# Altium PCB iMX6 Rex_V1I1_PCB.PcbDoc (part 7 of 8) (continued)
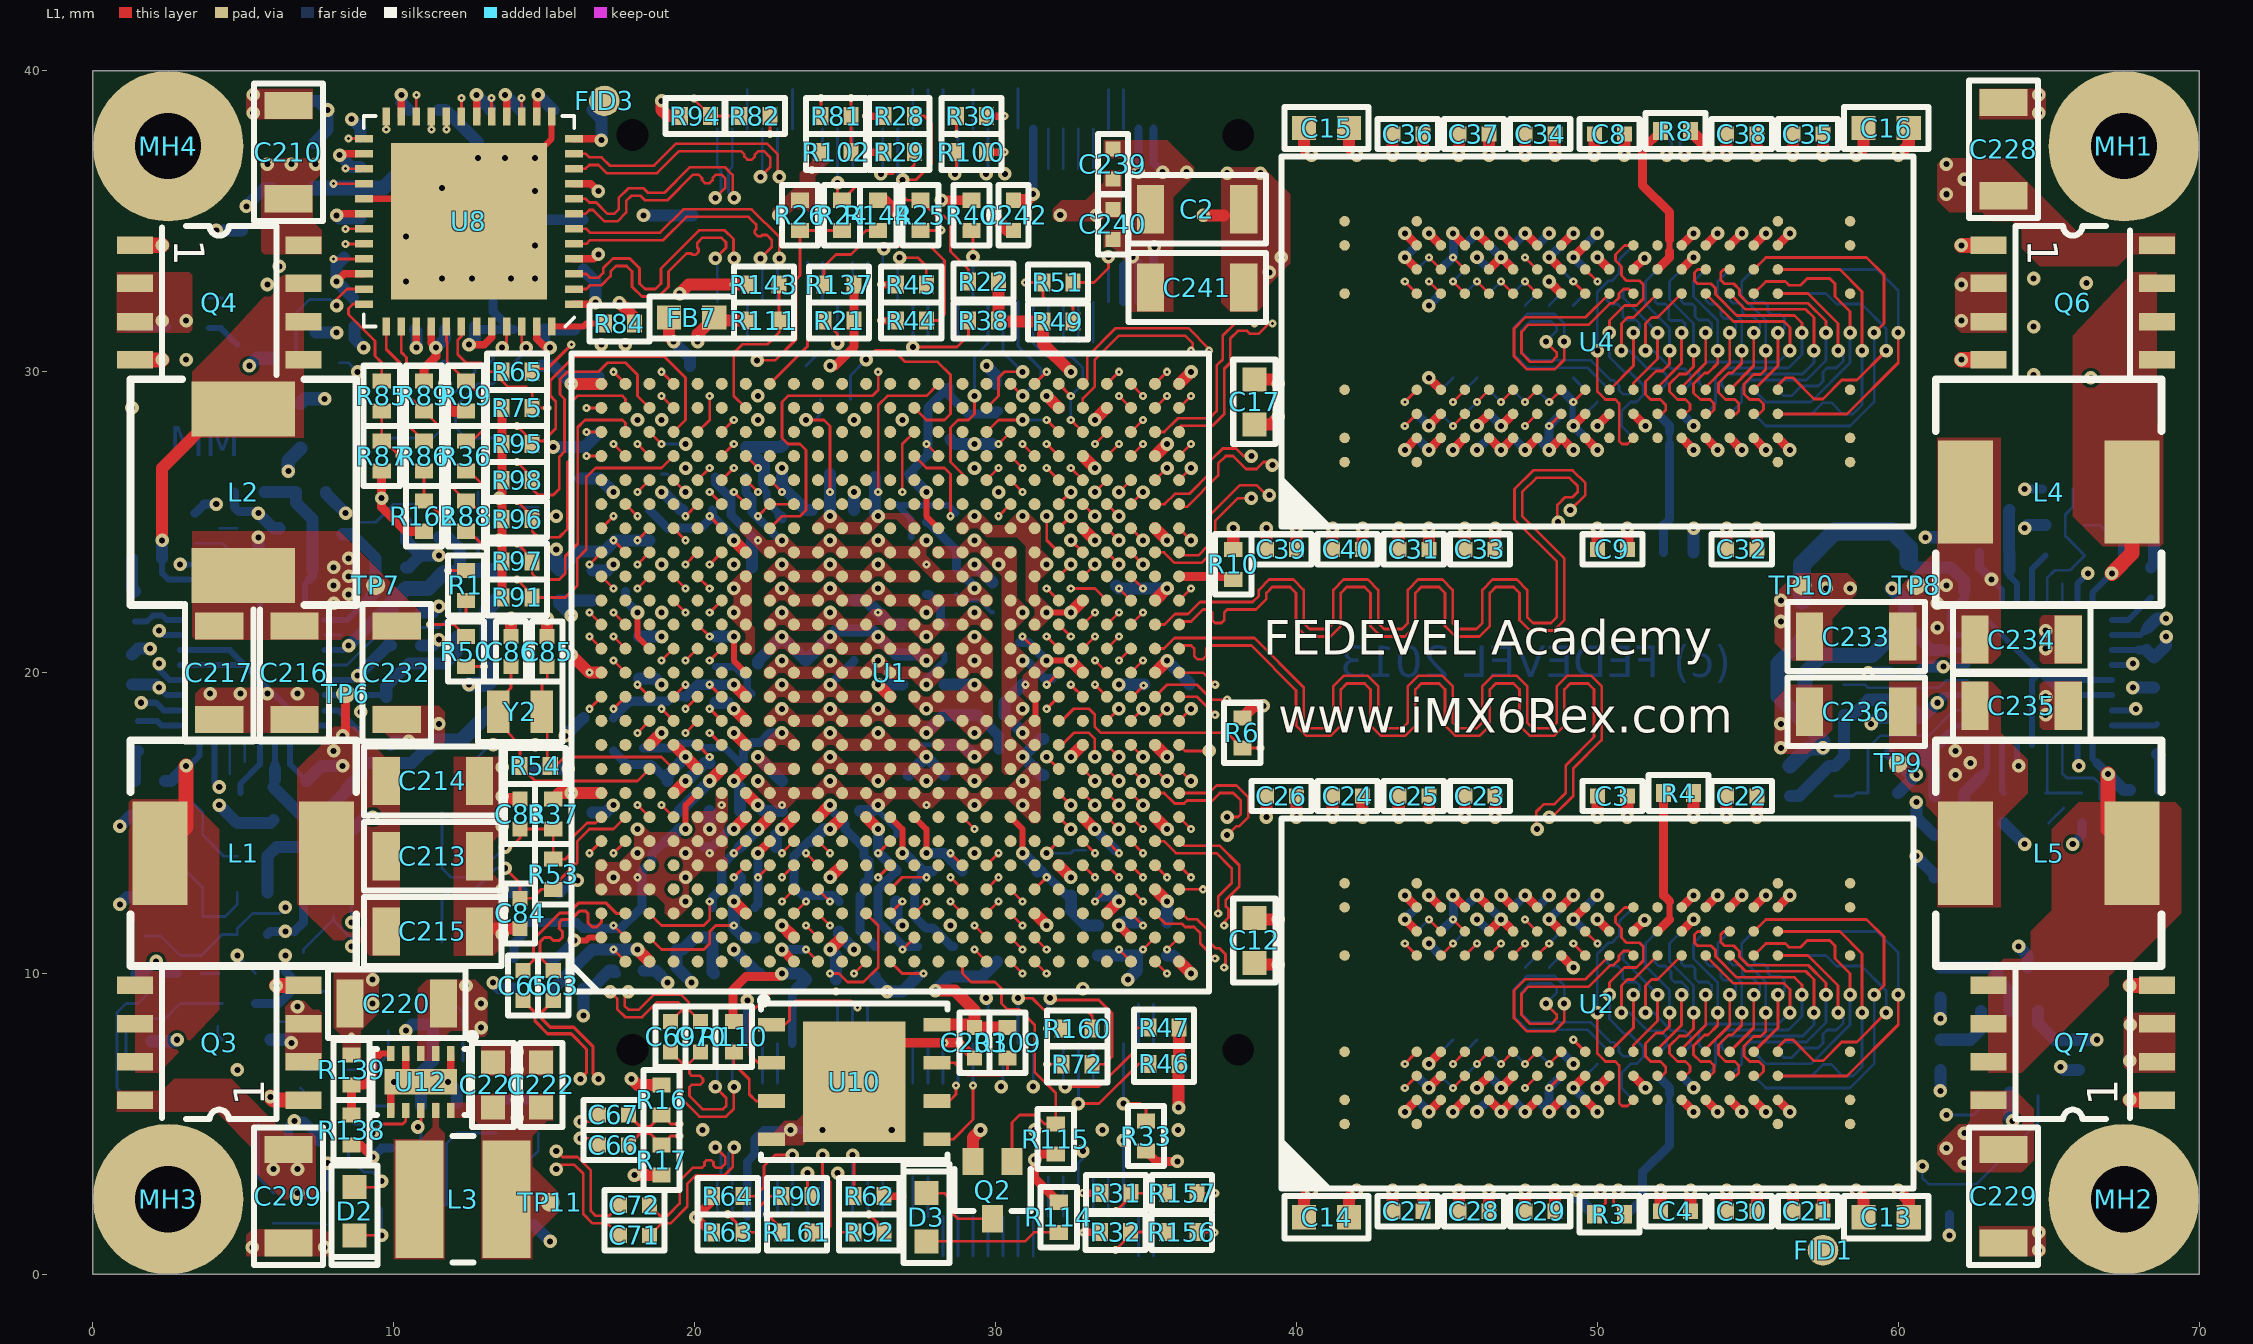
[diagram p0: L1 view]
## Nets (pads, with @x,y where several pads share a name; then routed paths per layer and width w, separated by ;. In a path a pad name is that pad's centre, name@x,y a point inside that pad or via, vN(x,y) a via of type N, cw(c..) or ccw(c..) an arc to the next point about the centre after c; other vN are vias at no path point) (continued)
  L10 w0.085: v4(8.6,13.3) 8.5,13.4 8.117,13.4 7.9,13.617 7.9,15 8.2,15.3 8.2,16.27 8.668,16.737 8.668,18.052 8.332,18.387 8.332,19.032 8.568,19.268 8.768,19.268 9.4,19.9 9.4,22.167 9.633,22.4 9.633,25.263 9.968,25.598 9.968,26.15 13.006,29.189 16.689,29.189 18.068,30.568 18.068,31.35 17.868,31.55 17.868,34.248 18.72,35.1 19.1,35.1 v4(19.2,35.2)
  L12 w0.101: v1(29.688,36.58) 29.75,36.642 J1.24@29.75,38.07
USB0_PWR_EN: J1.26 U1.E23 | length 24.8
  L1 w0.093: U1.E23@20.1,28 20.5,28.4 v2(20.5,29.2)
  L2 w0.1: v2(20.5,29.2) v3(20.5,29.6)
  L3 w0.08: v3(20.5,29.6) v4(20.5,30)
  L10 w0.08: v4(20.5,30) 19.7,30 18.85,30.85 18.85,33.72 19.7,34.57 19.7,36.166 20.87,37.335 20.87,37.966 21.979,39.075 22.921,39.075 23.199,38.797 23.728,38.797 23.93,39 26,39 26.5,38.5 26.5,37.9 26.832,37.568 28.488,37.568 29.25,38.33 v6(29.25,38.982)
  L11 w0.1: v6(29.25,38.982) v5(29.25,39.383)
  L12 w0.093: J1.26@29.25,38.07 v5(29.25,39.383)
USB1_N: J2.40 U1.F10 | length 20.4
  L1 w0.101: v2(20.5,18) U1.F10@20.9,17.6
  L2 w0.1: v2(20.5,18) v3(20.8,17.7)
  L3 w0.085: v3(20.8,17.7) 20.4,18.1 19.7,18.1 17.922,16.322 17.922,15.575 18.7,14.797 18.7,13.032 19.132,12.6 19.132,12.165 19.465,11.832 19.668,11.832 20.2,11.3 20.2,11.097 21.697,9.6 22.3,9.6 22.5,9.4 22.817,9.4 24.017,8.2 24.418,8.2 v4(24.588,8.03)
  L10 w0.085: v4(24.588,8.03) 24.868,7.75 25.433,7.75 25.725,8.042 25.725,8.557 v6(25.75,8.582)
  L11 w0.1: v6(25.75,8.582) v5(25.75,8.983)
  L12 w0.101: J2.40@25.75,7.67 v5(25.75,8.983)
USB1_P: J2.42 U1.E10 | length 20.3
  L1 w0.101: U1.E10@20.1,17.6 v2(20.5,17.2)
  L2 w0.1: v3(20.2,17.5) v2(20.5,17.2)
  L3 w0.085: v3(20.2,17.5) 20.2,17.35 20.3,17.25 20.5,17.25 20.593,17.343 20.593,17.493 20.508,17.579 20.508,17.71 20.317,17.9 19.783,17.9 18.122,16.24 18.122,15.658 18.9,14.88 18.9,13.115 19.332,12.683 19.332,12.248 19.548,12.032 19.75,12.032 20.4,11.383 20.4,11.18 21.78,9.8 22.383,9.8 22.583,9.6 22.9,9.6 24.1,8.4 24.395,8.4 v4(24.588,8.592)
  L10 w0.085: v4(24.588,8.592) 25,8.18 25,8.05 25.1,7.95 25.35,7.95 25.525,8.125 25.525,8.308 v6(25.25,8.583)
  L11 w0.1: v6(25.25,8.583) v5(25.25,8.983)
  L12 w0.101: J2.42@25.25,7.67 v5(25.25,8.983)
USB1_PWR_EN: J2.44 U1.H21 | length 96.5
  L1 w0.093: U1.H21@22.5,26.4 v2(22.9,26)
  L2 w0.1: v2(22.9,26) v3(23.2,26.3)
  L3 w0.08: v4(19.6,38) 19.808,38.208 21.523,38.208 21.89,38.575 23.05,38.575 v4(23.425,38.2) ; v4(22,27.4) 22,27.097 22.512,26.585 22.518,26.585 22.803,26.3 v3(23.2,26.3)
  L10 w0.08: v4(19.6,38) 18.025,36.425 18.025,36.095 16.425,34.495 16.425,32.555 16.325,32.455 16.325,31.729 15.575,30.979 15.575,30.645 15.355,30.425 12.35,30.425 11.9,29.975 11.545,29.975 11.325,29.755 11.325,29.225 8.8,26.7 8.5,26.7 7.8,26 7.5,26 6.55,25.05 6.55,24.15 6.3,23.9 6.3,20.334 7.175,19.459 7.175,17.458 6.987,17.27 6.987,15.088 6.775,14.875 6.775,10.355 7.3,9.83 7.3,8.6 7.7,8.2 7.7,6.6 8.1,6.2 8.1,4 8.3,3.8 8.3,2.9 8.9,2.3 10.819,2.3 11.119,2 18,2 18.475,1.525 26.838,1.525 27.475,2.162 27.475,2.675 28.035,3.235 28.035,3.761 27.425,4.371 27.425,4.592 26.625,5.392 26.625,6.081 26.3,6.406 26.3,8.818 25.938,9.18 24.953,9.18 v6(24.75,9.383) ; v4(22,27.4) 21.141,28.259 21.141,30.559 20,31.7 20,34.1 20.3,34.4 20.3,36 21.47,37.17 21.47,37.8 22.245,38.575 22.655,38.575 23.03,38.2 v4(23.425,38.2)
  L11 w0.1: v5(24.75,8.983) v6(24.75,9.383)
  L12 w0.093: J2.44@24.75,7.67 v5(24.75,8.983)
USB_OC: J1.28 R100.1 U1.H20 U1.J20 | length 28.6
  L1 w0.093: v2(22.1,25.2) U1.H20@22.5,25.6 U1.J20@23.3,25.6 ; v1(28.65,36.58) 28.7,36.63 R100.1@28.7,37.3
  L2 w0.1: v2(22.1,25.2) v3(22.4,24.9)
  L3 w0.08: v3(22.4,24.9) v4(22.4,25.4)
  L10 w0.08: v4(22.4,25.4) 22.4,26.1 21.9,26.6 21.9,26.9 21.625,27.175 21.625,27.345 20.891,28.078 20.891,30.139 20.639,30.391 20.178,30.391 19.725,30.845 19.725,31.275 19.1,31.9 19.1,33.6 20,34.5 20,36.083 21.17,37.253 21.17,37.883 22.112,38.825 22.788,38.825 23.038,38.575 25.825,38.575 26.1,38.3 26.1,37.8 26.71,37.19 28.04,37.19 v1(28.65,36.58)
  L12 w0.093: v1(28.65,36.58) 28.75,36.68 J1.28@28.75,38.07
USER_LED: Q2.1 R115.1 U1.T1 | length 10.2
  L1 w0.093: U1.T1@28.9,10.4 28.9,9.997 29.182,9.715 29.985,9.715 30.2,9.5 30.2,9 30.4,8.8 30.405,8.805 30.795,8.805 31.3,8.3 31.3,6.725 32,6.025 R115.1@32,5 31.63,5 31.33,5.3 30.8,5.3 30.55,5.05 Q2.1@30.55,3.95
WD_OUT: R71.1 U1.R22 | length 81.9
  L1 w0.093: v2(27.7,27.6) U1.R22@28.1,27.2
  L2 w0.1: v2(27.7,27.6) v3(28,27.9)
  L3 w0.08: v4(15.3,32.2) 15.8,31.7 18.075,31.7 18.2,31.575 19.538,31.575 19.738,31.375 20.33,31.375 20.55,31.155 24.137,31.155 24.512,31.53 24.988,31.53 25.288,31.23 26.239,31.23 27.051,30.418 27.489,30.418 29.4,32.329 29.4,33.25 30.005,33.855 30.355,33.855 30.675,34.175 30.675,34.431 31.074,34.83 33.27,34.83 34.125,33.975 34.125,33.295 31.275,30.445 31.275,29.045 31.055,28.825 30.625,28.825 29.775,27.975 29,27.975 28.925,27.9 v3(28,27.9)
  L10 w0.08: v6(3.6,10.4) 3.1,10.9 3.1,11.4 2.1,12.4 2.1,18.4 2.575,18.875 2.575,22.575 3.3,23.3 3.3,24 2.1,25.2 2.1,29.9 1.925,30.075 1.925,32 3.925,34 4.313,34 5.198,34.885 5.448,34.885 6.975,36.412 6.975,37.375 7.4,37.8 8.95,37.8 9.65,38.5 15.1,38.5 16.075,37.525 16.075,36.705 15.585,36.215 15.445,36.215 14.7,35.47 14.7,34.8 15.3,34.2 v4(15.3,32.2)
  L11 w0.1: v5(3.6,10) v6(3.6,10.4)
  L12 w0.093: v5(3.6,10) R71.1@4.2,10
WD_OUT_R: R69.1 R71.2 U7.2 | length 5.7
  L12 w0.093: U7.2@1.95,6.8 1.3,6.8 1.1,7 1.1,8.2 1.4,8.5 2.4,8.5 2.9,9 R71.2@4.3,9
ZQPAD: R10.1 U1.AE17 | length 1.8
  L1 w0.3: U1.AE17@36.1,23.2 37.8,23.2 R10.1@37.9,23.1
pads on no net: FID1.1 FID2.1 FID3.1 FID4.1 J1.49 J1.65 J1.66 J2.65 J2.66 U1.A9 U1.A10 U1.A11 U1.A16 U1.A20 U1.A21 U1.AA1 U1.AA2 U1.AA3 U1.AA4 U1.AA11 U1.AB1 U1.AB2 U1.AB17 U1.AD17 U1.B8 U1.B9 U1.B10 U1.B11 U1.B16 U1.B17 U1.B19 U1.B21 U1.C5 U1.C8 U1.C13 U1.C15 U1.C16 U1.C20 U1.C25 U1.D1 U1.D2 U1.D4 U1.D5 U1.D13 U1.D15 U1.D18 U1.D20 U1.E1 U1.E2 U1.E3 U1.E4 U1.E13 U1.E16 U1.E19 U1.E22 U1.E24 U1.E25 U1.F1 U1.F2 U1.F3 U1.F4 U1.F13 U1.F15 U1.F17 U1.F24 U1.F25 U1.G1 U1.G2 U1.G4 U1.G23 U1.G25 U1.H1 U1.H2 U1.H3 U1.H4 U1.H22 U1.H23 U1.H24 U1.J19 U1.J21 U1.J22 U1.J23 U1.J24 U1.J25 U1.K20 U1.K21 U1.K22 U1.K23 U1.K24 U1.K25 U1.L1 U1.L3 U1.L4 U1.L6 U1.L20 U1.L21 U1.L22 U1.L23 U1.L24 U1.L25 U1.M2 U1.M4 U1.M5 U1.M6 U1.M20 U1.M21 U1.M22 U1.M23 U1.M24 U1.M25 U1.N2 U1.N19 U1.N20 U1.N21 U1.N22 U1.N23 U1.N24 U1.N25 U1.P1 U1.P4 U1.P5 U1.P6 U1.P20 U1.P21 U1.P25 U1.R1 U1.R2 U1.R3 U1.R4 U1.R5 U1.R6 U1.R7 U1.R20 U1.R21 U1.R23 U1.R24 U1.T2 U1.T6 U1.T20 U1.T22 U1.T23 U1.T24 U1.T25 U1.U6 U1.U7 U1.U20 U1.U22 U1.U25 U1.V5 U1.V6 U1.V24 U1.W5 U1.W6 U1.W20 U1.W21 U1.W23 U1.W24 U1.Y1 U1.Y2 U1.Y3 U1.Y4 U2.J1 U2.J9 U2.L1 U2.L9 U2.MECH01 U2.MECH02 U2.MECH03 U2.MECH04 U2.MECH05 U2.MECH06 U2.MECH07 U2.MECH08 U2.MECH09 U2.MECH10 U2.MECH11 U2.MECH12 U2.MECH13 U2.MECH14 U2.MECH15 U2.MECH16 U3.J1 U3.J9 U3.L1 U3.L9 U3.MECH01 U3.MECH02 U3.MECH03 U3.MECH04 U3.MECH05 U3.MECH06 U3.MECH07 U3.MECH08 U3.MECH09 U3.MECH10 U3.MECH11 U3.MECH12 U3.MECH13 U3.MECH14 U3.MECH15 U3.MECH16 U4.J1 U4.J9 U4.L1 U4.L9 U4.MECH01 U4.MECH02 U4.MECH03 U4.MECH04 U4.MECH05 U4.MECH06 U4.MECH07 U4.MECH08 U4.MECH09 U4.MECH10 U4.MECH11 U4.MECH12 U4.MECH13 U4.MECH14 U4.MECH15 U4.MECH16 U5.J1 U5.J9 U5.L1 U5.L9 U5.MECH01 U5.MECH02 U5.MECH03 U5.MECH04 U5.MECH05 U5.MECH06 U5.MECH07 U5.MECH08 U5.MECH09 U5.MECH10 U5.MECH11 U5.MECH12 U5.MECH13 U5.MECH14 U5.MECH15 U5.MECH16 U8.43 U11.9 U13.9

## Polygon pours and split planes (outlines as drawn)
+3V3_ETH_AVDDH on L8 (PWR) "L8 (PWR)-+3V3_ETH_AVDDH" (solid, pour order 259): 15.4,39 19.9,39 19.9,33 20.3,33 20.3,30.7 18.6,30.7 18.6,31.6 16.4,31.6 14.6,29.8 12.5,29.8 12.5,34.4 15.4,37.3
+1V2_ETH_DVDDL on L8 (PWR) "L8 (PWR)-+1V2_ETH_DVDDL" (solid, pour order 258): 25 vertices, not listed, extent 1,29.8 15.2,39.4
+1V375 on L8 (PWR) "L8 (PWR)-+1V375" (solid, pour order 261): 21 vertices, not listed, extent 1,9.1 29.8,32.2
+1V375_VDDSOC_IN on L8 (PWR) "L8 (PWR)-+1V375_VDDSOC_IN" (solid, pour order 260): 18.6,30.5 18.6,29.4 17.3,28.1 17.3,26.5 16.7,25.9 16.7,22.1 26.4,22.1 27.1,21.4 29.8,21.4 29.8,22.9 28.8,23.9 28.8,25.4 29.9,26.5 29.9,30.5
+1V5_DDR on L8 (PWR) "L8 (PWR)-+1V5_DDR" (solid, pour order 262): 19 vertices, not listed, extent 1,1 69,39
GND on L12 "L12-GND" (solid, pour order 138): 5.1,38.5 5.4,38.2 5.4,37.3 6.4,37.3 6.4,39.4 5.2,39.4 5.1,39.3
+1V2_ETH on L12 "L12-+1V2_ETH" (solid, pour order 137): 27 vertices, not listed, extent 2.5,31.5 7.9,36.5
GND on L12 "L12-GND 1" (solid, pour order 197): 19.3,19.9 20,19.9 20,23.8 19.9,23.9 19.9,24.5 19.3,24.5 19.3,24.3 18.7,23.7 18.7,23.3 18.4,23 18.4,22.4 18.6,22.2 18.6,22 19.3,21.3
+3V3 on L12 "L12-+3V3" (solid, pour order 198): 18 vertices, not listed, extent 20.3,21.8 21.5,24.5
GND on L12 "L12-GND 2" (solid, pour order 134): 1.6,32.1 3.4,32.1 3.4,31.1 4.1,31.1 4.1,29.2 2.7,29.2 2.7,30 2.9,30 2.9,30.6 2.6,30.9 1.6,30.9
SW_EP on L12 "L12-SW_EP" (solid, pour order 135): 0.9,33.6 2,33.6 2,32.3 1.4,32.3 1.4,31.8 0.9,31.8 0.9,33.6
+3V3 on L12 "L12-+3V3 1" (solid, pour order 139): 0.9,31.1 1.4,31.1 1.4,30.5 1.8,30.1 1.9,30 2.1,30 2.1,29.1 1.6,28.6 1.2,28.6 1.1,28.7 1.1,28.8 1.1,30 0.9,30.2 0.9,31.1
GND on L12 "L12-GND 3" (solid, pour order 140): 18 vertices, not listed, extent 9.4,31.2 13,35.4
GND on L12 "L12-GND 4" (solid, pour order 141): 13.7,32.1 16.3,32.1 16.3,32.7 15.8,32.7 15.6,32.9 15.6,34.7 15,34.7 14.7,34.4 13.5,34.4 13.5,33.5 13.7,33.3
+1V2_ETH_AVDDL on L12 "L12-+1V2_ETH_AVDDL" (solid, pour order 142): 16,34.1 16.4,34.1 16.6,33.9 16.6,33.8 16.7,33.7 16.9,33.7 17,33.8 17,36.8 16.8,37 16,37 16,34.1
GND on L12 "L12-GND 5" (solid, pour order 143): 12.7,36.9 14.4,36.9 14.5,36.8 14.5,35.9 14.7,35.7 14.9,35.7 15,35.6 15,35.4 15.6,35.4 15.6,37.3 15.7,37.4 16.5,37.4 16.5,38 12.6,38 12.6,37
+VIN on L12 "L12-+VIN" (solid, pour order 150): 8.8,18.5 10.2,18.5 10.2,19.9 9.3,19.9 9.3,19.8 9,19.5 8.7,19.5 8.6,19.4 8.6,18.7
GND on L12 "L12-GND 6" (solid, pour order 151): 11.2,19.9 12.1,19.9 12.1,18.5 11.7,18.1 11.3,18.1 11.2,18.2
GND on L12 "L12-GND 7" (solid, pour order 152): 21 vertices, not listed, extent 13.7,19.4 17.1,23.7
GND on L12 "L12-GND 8" (solid, pour order 154): 7.7,11 8.2,11 8.2,10.7 8.8,10.1 9.4,10.1 9.5,10 9.5,8.8 9.4,8.7 8.5,8.7 8.4,8.8 8.4,9.8 7.9,10.3 7.8,10.3 7.7,10.4
+3V3 on L12 "L12-+3V3 2" (solid, pour order 155): 4.1,5.5 5.2,5.5 5.3,5.6 5.3,6.1 5.6,6.4 5.7,6.5 6.2,6.5 6.2,7.1 4.7,7.1 4.5,6.9 4.1,6.5 4.1,5.5
GND on L12 "L12-GND 9" (solid, pour order 199): 15.8,24.5 16.6,24.5 16.7,24.6 16.7,24.8 17,25.1 17.7,25.1 17.7,25.6 16.9,25.6 16.6,25.4 15.3,25.4 15.2,25.3 15.2,25.1 15.8,24.5
+1V375_VDDSOC_IN on L12 "L12-+1V375_VDDSOC_IN" (solid, pour order 201): 20.3,29.2 20.3,28.4 20.1,28.2 18,28.2 17.9,28.3 17.9,29.5 18,29.6 19,29.6 19.2,29.4 20.1,29.4
+1V375 on L12 "L12-+1V375" (solid, pour order 202): 18.9,30.2 18.9,31.1 18.7,31.3 16.8,31.3 16.7,31.2 16.7,30.7 16.8,30.6 17.7,30.6 18.1,30.2
GND on L12 "L12-GND 10" (solid, pour order 203): 23 vertices, not listed, extent 23.9,27.3 27.4,30.2
+VDDPU on L12 "L12-+VDDPU" (solid, pour order 206): 38 vertices, not listed, extent 22.7,23.4 26.9,25.5
+1V375_VDDSOC_IN on L12 "L12-+1V375_VDDSOC_IN 1" (solid, pour order 207): 28.1,25.9 28.1,26.7 28.8,26.7 29.1,27 29.4,27 29.5,26.9 29.5,26.6 29.4,26.5 29.4,26.1 29.2,25.9
+1V5_DDR on L12 "L12-+1V5_DDR" (solid, pour order 208): 31.5,27.5 31.5,26.7 31.2,26.4 31.2,25.7 31.1,25.6 30.7,25.6 30.6,25.7 30.1,25.7 29.7,26.1 29.7,26.9 30.3,26.9 30.6,27.2 30.6,27.5
GND on L12 "L12-GND 11" (solid, pour order 209): 35 vertices, not listed, extent 28.5,23.4 33.5,27.5
+1V5_DDR on L12 "L12-+1V5_DDR 1" (solid, pour order 210): 30 vertices, not listed, extent 29.1,21.8 33.3,24.6
GND on L12 "L12-GND 12" (solid, pour order 211): 20 vertices, not listed, extent 31.5,20.8 34.3,23.2
GND on L12 "L12-GND 13" (solid, pour order 205): 26.5,23.3 26.5,23.8 26.9,23.8 27.1,24 27.1,24.5 27.2,24.6 27.8,24.6 28,24.4 28,22.4 27.4,22.4 27.4,23.1 27.2,23.3
+1V5_DDR on L12 "L12-+1V5_DDR 2" (solid, pour order 216): 31.6,15.3 32.2,15.3 32.2,15.9 31.9,16.2 31.9,16.3 31.9,16.9 31.3,16.9 31.3,16.3 31.6,16 31.6,15.3
GND on L12 "L12-GND 14" (solid, pour order 213): 28 vertices, not listed, extent 21.8,21 25.6,22.7
+1V2_VDD_ARM_CAP on L12 "L12-+1V2_VDD_ARM_CAP" (solid, pour order 217): 60 vertices, not listed, extent 21.6,17.2 26.3,20.6
GND on L12 "L12-GND 15" (solid, pour order 218): 21 vertices, not listed, extent 18,17.8 22.2,18.8
GND on L12 "L12-GND 16" (solid, pour order 219): 13.5,14.7 13.7,14.7 14,14.4 15.4,14.4 15.4,15.3 15.3,15.4 14.2,15.4 13.8,15.8 13.8,16 13.7,16.1 13.5,16.1
GND on L12 "L12-GND 17" (solid, pour order 220): 31 vertices, not listed, extent 15.7,11.8 18.8,17.7
GND on L12 "L12-GND 18" (solid, pour order 221): 42 vertices, not listed, extent 23.6,15.1 27.9,19
+1V375 on L12 "L12-+1V375 1" (solid, pour order 222): 42 vertices, not listed, extent 24.8,13.2 30.5,17.7
GND on L12 "L12-GND 19" (solid, pour order 223): 23 vertices, not listed, extent 29.1,14.4 32.1,16.6
GND on L12 "L12-GND 20" (solid, pour order 224): 32.3,16.3 32.9,16.3 32.9,18.1 33.2,18.4 33.2,19.9 34.2,20.9 33.2,20.9 32.9,20.6 31.6,20.6 31.5,20.5 31.5,20.3 32.4,20.3 32.6,20.1 32.6,18.5 32.3,18.2
GND on L12 "L12-GND 21" (solid, pour order 225): 26.4,14.3 28.8,14.3 29.1,14 29.1,13.9 29.2,13.8 29.4,13.8 29.5,13.9 29.5,14.1 29.1,14.5 29.1,14.9 26.7,14.9 26.6,15 26.4,15
GND on L12 "L12-GND 22" (solid, pour order 226): 27 vertices, not listed, extent 18.8,11.5 20.6,14.2
GND on L12 "L12-GND 23" (solid, pour order 228): 17 vertices, not listed, extent 22.4,11.4 23.9,13.5
GND on L12 "L12-GND 24" (solid, pour order 229): 23.6,13.7 25.4,13.7 25.4,13.1 24.8,13.1 24.7,13 24.3,13 24.2,13.1 23.6,13.1 23.6,13.7
GND on L12 "L12-GND 25" (solid, pour order 230): 26 vertices, not listed, extent 27.6,9.3 33.1,12.7
GND on L12 "L12-GND 26" (solid, pour order 200): 30 vertices, not listed, extent 19.5,26.6 23.3,30.6
+1V375_VDDSOC_IN on L12 "L12-+1V375_VDDSOC_IN 2" (solid, pour order 212): 49 vertices, not listed, extent 21.7,21.8 27.9,23.7
+1V1_VDDSOC_CAP on L12 "L12-+1V1_VDDSOC_CAP" (solid, pour order 214): 23 vertices, not listed, extent 29.1,19.3 32.6,22.3
GND on L12 "L12-GND 27" (solid, pour order 231): 21 vertices, not listed, extent 26.6,21 29.5,22.2
+1V5_DDR on L12 "L12-+1V5_DDR 3" (solid, pour order 233): 63.6,33.4 66.1,33.4 66.9,32.6 66.9,31.7 66.1,31.7 66.1,32.5 65.8,32.8 63.6,32.8
GND on L12 "L12-GND 28" (solid, pour order 232): 63.6,29.6 66.5,29.6 66.9,30 66.9,31.1 66.1,31.1 66.1,30.3 66,30.2 63.6,30.2
+DDR_VREF on L12 "L12-+DDR_VREF" (solid, pour order 234): 17 vertices, not listed, extent 63.6,30.6 65.5,32.4
GND on L12 "L12-GND 29" (solid, pour order 235): 57.9,21 58.8,21 58.8,22.8 58.9,22.9 59.3,23.3 59.3,24.1 58.4,24.1 57.4,23.1 57.4,22.5 57.9,22
+1V5_DDR on L12 "L12-+1V5_DDR 4" (solid, pour order 215): 32.2,20.1 32.2,18.5 31.9,18.2 31.9,17.5 31.3,17.5 31.3,18.1 30.7,18.7 30.7,18.9 30.9,19.1 31.3,19.1 31.4,19.2 31.4,20.1
+3V0_ALWAYS on L12 "L12-+3V0_ALWAYS" (solid, pour order 136): 14.1,19.3 15.5,19.3 15.5,18.3 15,17.8 15,17.6 14.9,17.5 14.2,17.5 14.1,17.6
+3V3 on L12 "L12-+3V3 3" (solid, pour order 204): 23.9,26.9 26.5,26.9 26.5,26.3 26.2,26 25.8,26 25.5,26.3 25.1,26.3 24.7,25.9 24.3,25.9 23.9,26.3
+2V5_ETH_DVDDH on L5 (PWR) "L5 (PWR)-+2V5_ETH_DVDDH" (solid, pour order 264): 21 vertices, not listed, extent 7.3,24 23.5,39.4
+5V_USB_VBUS on L5 (PWR) "L5 (PWR)-+5V_USB_VBUS" (solid, pour order 153): 21 vertices, not listed, extent 12.7,16.6 32.5,39
+1V2_ETH on L5 (PWR) "L5 (PWR)-+1V2_ETH" (solid, pour order 265): 17 vertices, not listed, extent 1,9.9 16.5,39
+DDR_VREF on L5 (PWR) "L5 (PWR)-+DDR_VREF" (solid, pour order 159): 62.1,29.4 65.8,29.4 65.8,32.2 65.3,32.7 61.6,32.7 61.6,29.9
+1V1_VDDSOC_CAP on L5 (PWR) "L5 (PWR)-+1V1_VDDSOC_CAP" (solid, pour order 156): 25 vertices, not listed, extent 15.5,7.3 48.2,39
+3V0_ALWAYS on L5 (PWR) "L5 (PWR)-+3V0_ALWAYS" (solid, pour order 263): 46 vertices, not listed, extent 1,1 69,26.6
+1V5_DDR on L1 "L1-+1V5_DDR" (solid, pour order 242): 63.4,12.2 63.4,15.1 64.3,16 64.3,17.1 63.4,18 63.4,19.4 63.1,19.7 59.7,19.7 59.7,16.8 61.3,15.2 61.3,12.2
+3V0_ALWAYS on L1 "L1-+3V0_ALWAYS" (solid, pour order 163): 18 vertices, not listed, extent 11.8,0.5 15.5,6
GND on L1 "L1-GND" (solid, pour order 169): 43 vertices, not listed, extent 16.7,11.8 21.1,16.2
+VIN on L1 "L1-+VIN" (solid, pour order 195): 17 vertices, not listed, extent 33.6,32 36.6,37.7
GND on L1 "L1-GND 1" (solid, pour order 190): 48 vertices, not listed, extent 21.9,15 31.5,17
GND on L1 "L1-GND 2" (solid, pour order 188): 30.9,19.3 31.2,19 31.4,19 31.5,19.1 31.5,19.3 31.4,19.4 31.4,19.8 31.9,20.3 31.9,20.5 31.8,20.6 31.6,20.6 30.9,19.9
GND on L1 "L1-GND 3" (solid, pour order 144): 7.3,39.3 7.3,38.4 5.3,38.4 5.1,38.6 5.1,39.2 5.3,39.4 7.3,39.4 7.3,39.3
+VIN on L1 "L1-+VIN 1" (solid, pour order 145): 7.6,33.9 7.6,34.7 7.3,35 7.3,36.3 7.6,36.6 7.6,37 7.5,37.1 5.7,37.1 5.6,37 5.6,34 5.7,33.9
GND on L1 "L1-GND 4" (solid, pour order 146): 0.8,33.3 0.8,31.3 3.2,31.3 3.3,31.4 3.3,33.2 3.2,33.3
PHASE2_1V375 on L1 "L1-PHASE2_1V375" (solid, pour order 147): 7,32.935 7,27.8 3.3,27.8 3.3,30 4.4,31.1 5.6,32.4 5.7,32.5 5.9,32.5 6.2,32.8 6.2,33.1 6.3,33.2 7,33.2
GND on L1 "L1-GND 5" (solid, pour order 149): 3.4,18 7.5,18 7.5,18.9 7.5,19.3 7.3,19.5 3.7,19.5 3.6,19.5 3.4,19.3 3.4,18
+3V3 on L1 "L1-+3V3" (solid, pour order 157): 6.8,12.3 8,11.1 8.7,11.1 8.9,10.9 9.2,10.6 10.2,10.6 10.2,17.2 9.7,17.2 9.6,17.3 8.7,18.2 8,18.2 7.7,17.9 7.7,17.7 6.8,16.8
GND on L1 "L1-GND 6" (solid, pour order 158): 9.3,18.9 11.5,18.9 11.7,18.7 11.7,17.8 11.7,17.7 11.5,17.5 10.3,17.5 10.2,17.5 9.9,17.8 9.7,18 9.3,18 9.3,18.9
GND on L1 "L1-GND 7" (solid, pour order 161): 5.1,0.6 7.9,0.6 7.9,1.3 7.7,1.5 5.3,1.5 5.1,1.3
SW_3V0_SNVS on L1 "L1-SW_3V0_SNVS" (solid, pour order 162): 11.5,5.7 11.5,4.9 11.7,4.7 11.7,0.5 10,0.5 10,4.5 10.9,4.5 11.3,4.9 11.3,5.7
GND on L1 "L1-GND 8" (solid, pour order 164): 12.9,7.6 15.3,7.6 15.3,6.6 12.9,6.6 12.9,7.6
GND on L1 "L1-GND 9" (solid, pour order 165): 6.4,6.8 7.6,6.8 7.6,8.7 7.5,8.8 7.3,8.8 7,9.1 6.6,9.1 6.4,8.9
GND on L1 "L1-GND 10" (solid, pour order 166): 8.3,7.1 8.9,7.1 8.9,8.1 9,8.2 9.5,8.7 9.5,9.9 9.4,10 9.3,10.1 8.1,10.1 8,10 8,8.2 8.3,7.9 8.3,7.1
+VIN on L1 "L1-+VIN 2" (solid, pour order 167): 11.5,7.1 10.8,7.1 10.8,9.5 11.1,9.8 12.7,9.8 13.1,9.4 13.1,8 13,7.9 12.6,7.9 12.4,8.1 11.9,8.1 11.5,7.7
GND on L1 "L1-GND 11" (solid, pour order 168): 13.6,17.2 13.7,17.1 13.7,14.7 13.6,14.6 13.5,14.6 13.3,14.4 13.3,13.3 13.5,13.1 13.6,13.1 13.7,13 13.7,11 13.3,10.6 12,10.6 12,17.2
+3V0_ALWAYS on L1 "L1-+3V0_ALWAYS 1" (solid, pour order 170): 23.4,16.6 23.5,16.7 23.5,16.9 23.4,17 22.6,17 22.4,17.2 22.3,17.3 22.2,17.4 22,17.4 21.9,17.3 21.9,17.1 22.4,16.6
+1V1_VDDSOC_CAP on L1 "L1-+1V1_VDDSOC_CAP" (solid, pour order 172): 28,17.4 28.8,17.4 29.1,17.1 29.5,17.1 29.9,17.5 29.9,17.7 29.8,17.8 29.6,17.8 29.4,17.6 29.2,17.6 29,17.8 28,17.8 27.9,17.7 27.9,17.5
+1V375 on L1 "L1-+1V375" (solid, pour order 171): 33 vertices, not listed, extent 23.9,16.3 29.9,17.3
+1V1_VDDSOC_CAP on L1 "L1-+1V1_VDDSOC_CAP 1" (solid, pour order 173): 28.8,19.8 29,19.8 29.2,20 29.4,20 29.6,19.8 29.8,19.8 29.9,19.9 29.9,20.9 29.5,21.3 29.1,21.3 28.8,21 28.7,20.9 28.7,19.9
+1V2_VDD_ARM_CAP on L1 "L1-+1V2_VDD_ARM_CAP" (solid, pour order 174): 48 vertices, not listed, extent 22.3,17.9 28.3,18.9
+1V2_VDD_ARM_CAP on L1 "L1-+1V2_VDD_ARM_CAP 1" (solid, pour order 175): 38 vertices, not listed, extent 22.3,19.5 28.3,20.5
+1V375 on L1 "L1-+1V375 1" (solid, pour order 176): 49 vertices, not listed, extent 22.3,20.3 28.3,21.3
GND on L1 "L1-GND 12" (solid, pour order 177): 20 vertices, not listed, extent 23.9,17.1 27.9,18.1
GND on L1 "L1-GND 13" (solid, pour order 178): 25 vertices, not listed, extent 22.3,19 25.9,19.7
GND on L1 "L1-GND 14" (solid, pour order 179): 18 vertices, not listed, extent 27.1,17.9 29.9,19.7
+3V3 on L1 "L1-+3V3 1" (solid, pour order 180): 19 vertices, not listed, extent 21.2,20.6 22,23.4
GND on L1 "L1-GND 15" (solid, pour order 181): 46 vertices, not listed, extent 22.3,21.1 29.9,22.1
+1V375_VDDSOC_IN on L1 "L1-+1V375_VDDSOC_IN" (solid, pour order 182): 52 vertices, not listed, extent 22.3,21.9 29.9,22.9
+VDDPU on L1 "L1-+VDDPU" (solid, pour order 183): 39 vertices, not listed, extent 22.3,23 27.5,23.7
GND on L1 "L1-GND 16" (solid, pour order 184): 52 vertices, not listed, extent 21.5,23 29.9,25
+3V3 on L1 "L1-+3V3 2" (solid, pour order 185): 31 vertices, not listed, extent 23.9,24.6 27.5,25.3
+1V5_DDR on L1 "L1-+1V5_DDR 1" (solid, pour order 186): 33 vertices, not listed, extent 27.9,16.6 31,24.5
GND on L1 "L1-GND 17" (solid, pour order 187): 32 vertices, not listed, extent 28.7,21.4 31.8,25.3
GND on L1 "L1-GND 18" (solid, pour order 189): 31.3,17.4 31.4,17.4 31.5,17.5 31.5,18.5 31.4,18.6 31.2,18.6 30.8,18.2 30.8,17.8 31.2,17.4 31.3,17.4
+2V5_VDDHIGH_VPH on L1 "L1-+2V5_VDDHIGH_VPH" (solid, pour order 191): 22.3,17.5 22.4,17.4 22.6,17.4 22.8,17.6 23,17.6 23.2,17.4 23.4,17.4 23.5,17.5 23.5,17.7 23.1,18.1 22.7,18.1 22.3,17.7
GND on L1 "L1-GND 19" (solid, pour order 192): 19 vertices, not listed, extent 22.6,35.1 24.5,37.6
GND on L1 "L1-GND 20" (solid, pour order 193): 17 vertices, not listed, extent 31.9,35 34.2,36.7
GND on L1 "L1-GND 21" (solid, pour order 194): 37.8,32 38.7,32 39,32.3 39,32.8 39.8,33.6 39.8,35.9 38.9,36.8 37.6,36.8 37.5,36.7 37.5,32.3
GND on L1 "L1-GND 22" (solid, pour order 196): 22.1,4.3 23.6,4.3 23.8,4.5 23.8,5.3 23.6,5.3 23.4,5.1 23,5.1 22.6,4.7 22.1,4.7
GND on L1 "L1-GND 23" (solid, pour order 236): 62.7,39.4 64.8,39.4 64.9,39.3 64.9,38.6 64.8,38.5 64.8,38.4 62.7,38.4 62.7,39.4
+VIN on L1 "L1-+VIN 3" (solid, pour order 160): 0.8,6.1 0.8,5.4 4.1,5.4 5.4,4.1 5.4,3.4 6.3,2.5 7.3,2.5 7.4,2.6 7.4,4.6 7.3,4.7 6.4,4.7 4.6,6.5 2.7,6.5 2.3,6.1
GND on L1 "L1-GND 24" (solid, pour order 238): 63.6,33.3 63.6,31.3 62.1,31.3 61.9,31.5 61.9,32.9 61.9,33.1 62.1,33.3 63.5,33.3 63.6,33.3
+VIN on L1 "L1-+VIN 4" (solid, pour order 237): 17 vertices, not listed, extent 61.3,33.5 69.2,37.1
PHASE1_2V5 on L1 "L1-PHASE1_2V5" (solid, pour order 240): 68.8,24.3 68.7,24.2 66.8,24.2 65.8,25.2 65.8,31.2 67.8,33.3 68.6,33.3 68.6,28.3 68.8,28.1
GND on L1 "L1-GND 25" (solid, pour order 243): 55.9,17.4 56,17.3 56.8,17.3 57,17.3 57.5,17.8 57.8,18.1 57.8,19.6 56.4,19.6 56.1,19.3 55.9,19.1 55.9,17.4
GND on L1 "L1-GND 26" (solid, pour order 244): 56.5,20.4 57.8,20.4 57.8,21.8 58.2,22.2 58.6,22.6 58.6,23 58.3,23.3 56.6,23.3 55.9,22.6 55.9,21
GND on L1 "L1-GND 27" (solid, pour order 245): 66.1,21.9 66.1,20.3 64.8,20.3 64.7,20.4 64.7,21.7 64.7,21.8 64.8,21.9 66.1,21.9
GND on L1 "L1-GND 28" (solid, pour order 246): 66.1,18.1 64.8,18.1 64.7,18.2 64.7,19.5 64.7,19.6 64.8,19.7 66.1,19.7 66.1,18.1
PHASE1_3V3 on L1 "L1-PHASE1_3V3" (solid, pour order 239): 1.2,15.7 1.3,15.8 3.2,15.8 4.2,14.8 4.2,8.8 2.2,6.7 1.4,6.7 1.4,11.7 1.2,11.9
GND on L1 "L1-GND 29" (solid, pour order 247): 69.2,8.7 69.2,6.7 67.7,6.7 67.5,6.9 67.5,8.5 67.7,8.7
GND on L1 "L1-GND 30" (solid, pour order 248): 62.7,0.6 64.8,0.6 64.9,0.7 64.9,1.5 64.8,1.6 62.7,1.6 62.7,0.6
+VIN on L1 "L1-+VIN 5" (solid, pour order 249): 62.4,6.1 63.9,6.1 64.5,5.5 64.5,3.8 64.1,3.4 61.9,3.4 61.3,4 61.3,4.3 62,5 62.3,5 62.4,5.1
PHASE2_1V5 on L1 "L1-PHASE2_1V5" (solid, remove dead copper, pour order 227): 18 vertices, not listed, extent 63,6.7 69.4,15.7
+1V375 on L1 "L1-+1V375 2" (solid, pour order 148): 3.3,24.7 3.3,21.2 3.4,21.1 10.9,21.1 10.9,22 8.2,24.7
+2V5 on L1 "L1-+2V5" (solid, pour order 241): 63.4,27.8 63.4,20.6 63.1,20.3 59.7,20.3 59.7,22.3 60.1,22.7 60.1,22.9 61.3,24.1 61.3,27.8
+2V5 on L7 (PWR) "L7 (PWR)-+2V5" (solid, pour order 256): 37 vertices, not listed, extent 6.3,1 63.6,30.7
+2V5_VDDHIGH_VPH on L7 (PWR) "L7 (PWR)-+2V5_VDDHIGH_VPH" (solid, pour order 253): 23.5,16.3 23.5,18.2 22.2,18.2 21.7,18.7 17.3,18.7 15.9,17.3 14.8,17.3 14.8,15.5 16.3,15.5 16.8,16 18.1,17.3 20.5,17.3 21.5,16.3
+VIN on L7 (PWR) "L7 (PWR)-+VIN" (solid, pour order 257): 24 vertices, not listed, extent 1,1 69,39
+1V2_VDD_ARM_CAP on L7 (PWR) "L7 (PWR)-+1V2_VDD_ARM_CAP" (solid, pour order 254): 17.2,18.9 17.2,20.4 22.2,20.4 22.2,21.9 29.2,21.9 29.2,15.7 25.4,15.7 25.4,16.3 23.7,16.3 23.7,18.4 22.3,18.4 21.8,18.9
+SATA_VP on L7 (PWR) "L7 (PWR)-+SATA_VP" (solid, pour order 255): 22,20.6 17.2,20.6 16.7,21.1 16.7,24.6 18.2,24.6 18.2,25.3 22,25.3
+VDDUSB on L7 (PWR) "L7 (PWR)-+VDDUSB" (solid, pour order 252): 18.3,13.2 20.5,15.4 21,15.4 21,16.5 20.4,17.1 18.2,17.1 16.4,15.3 14.8,15.3 14.8,13.2
+PCIE_VPH on L7 (PWR) "L7 (PWR)-+PCIE_VPH" (solid, pour order 250): 21.8,13 20.4,11.6 20.4,8.9 17.9,8.9 17.9,13 18.4,13 20.6,15.2 21.6,15.2 21.8,15
+PCIE_VPTX on L7 (PWR) "L7 (PWR)-+PCIE_VPTX" (solid, pour order 251): 22,12.9 20.6,11.5 20.6,8.9 23.5,8.9 23.5,11 25.2,12.7 25.2,16.1 21.2,16.1 21.2,15.4 21.7,15.4 22,15.1
+3V3 on L6 (PWR) "L6 (PWR)-+3V3" (solid, pour order 266): 1,39 1,1 69,1 69,39 1,39
GND on L2 "L2-GND" (solid, pour order 269): 0.1,0.1 0.1,39.9 69.9,39.9 69.9,0.1 0.1,0.1
GND on L11 "L11-GND" (solid, pour order 271): 0.1,39.9 0.1,0.1 69.9,0.1 69.9,39.9 0.1,39.9
GND on L4 (split plane): 69.898,0.102 0.102,0.102 0.102,39.898 69.898,39.898
GND on L9 (split plane): 69.898,0.102 0.102,0.102 0.102,39.898 69.898,39.898

## Other copper
L12:
  text "MM" at 4.9,27.2 h1
  text "(c) FEDEVEL 2013" at 54.45,19.85 h1.05

## Silkscreen, mask and mechanical layers (free items; w line width, h text height)
Top Overlay:
  text "FEDEVEL Academy" at 38.9,20.6 h1.15
  text "www.iMX6Rex.com" at 39.4,18 h1.15
Bottom Overlay:
  lines w0.2: 40.45,17 40.45,19 ; 43.2,17 43.2,19 ; 45.95,17 45.95,19 ; 48.7,17 48.7,19 ; 37.7,17 37.7,19 51.45,19 51.45,17 37.7,17
  text "J1" at 38.8,29.4 h1.15
  text "iMX6 Rex V1I1" at 53.25,21.75 h1.15
  text "E" at 39.45,17.5 h1.15
  text "D" at 42.2,17.5 h1.15
  text "C" at 44.95,17.5 h1.15
  text "B" at 47.7,17.5 h1.15
  text "A" at 50.45,17.5 h1.15
  text "MOD" at 55.3,17.4 h1.15
  text "J2" at 38.8,9.4 h1.15
Bottom Solder:
  text "(c) FEDEVEL 2013" at 54.45,19.85 h1.05
Mechanical Drawing:
  circle w0.6: c67.5,2.5 r1.1
  circle w0.6: c2.5,2.5 r1.1
  circle w0.6: c67.5,37.5 r1.1
  circle w0.6: c2.5,37.5 r1.1
  circle w0.2: c17.935,7.47 r0.5
  circle w0.2: c17.935,37.87 r0.5
  circle w0.2: c38.065,37.87 r0.525
  circle w0.2: c38.065,7.47 r0.5
  lines w0.6: 67.9,40 70,40 70,0 0,0 0,40 0.5,40 69.9,40
  text "Mechanical Drawing of iMX6 Rex Module" at 3.3,47.5 h1.52
  text ".VersionRevision" at 60.8,47.5 h1.52